# KiCad board microcyte_panel.kicad_pcb (continued)
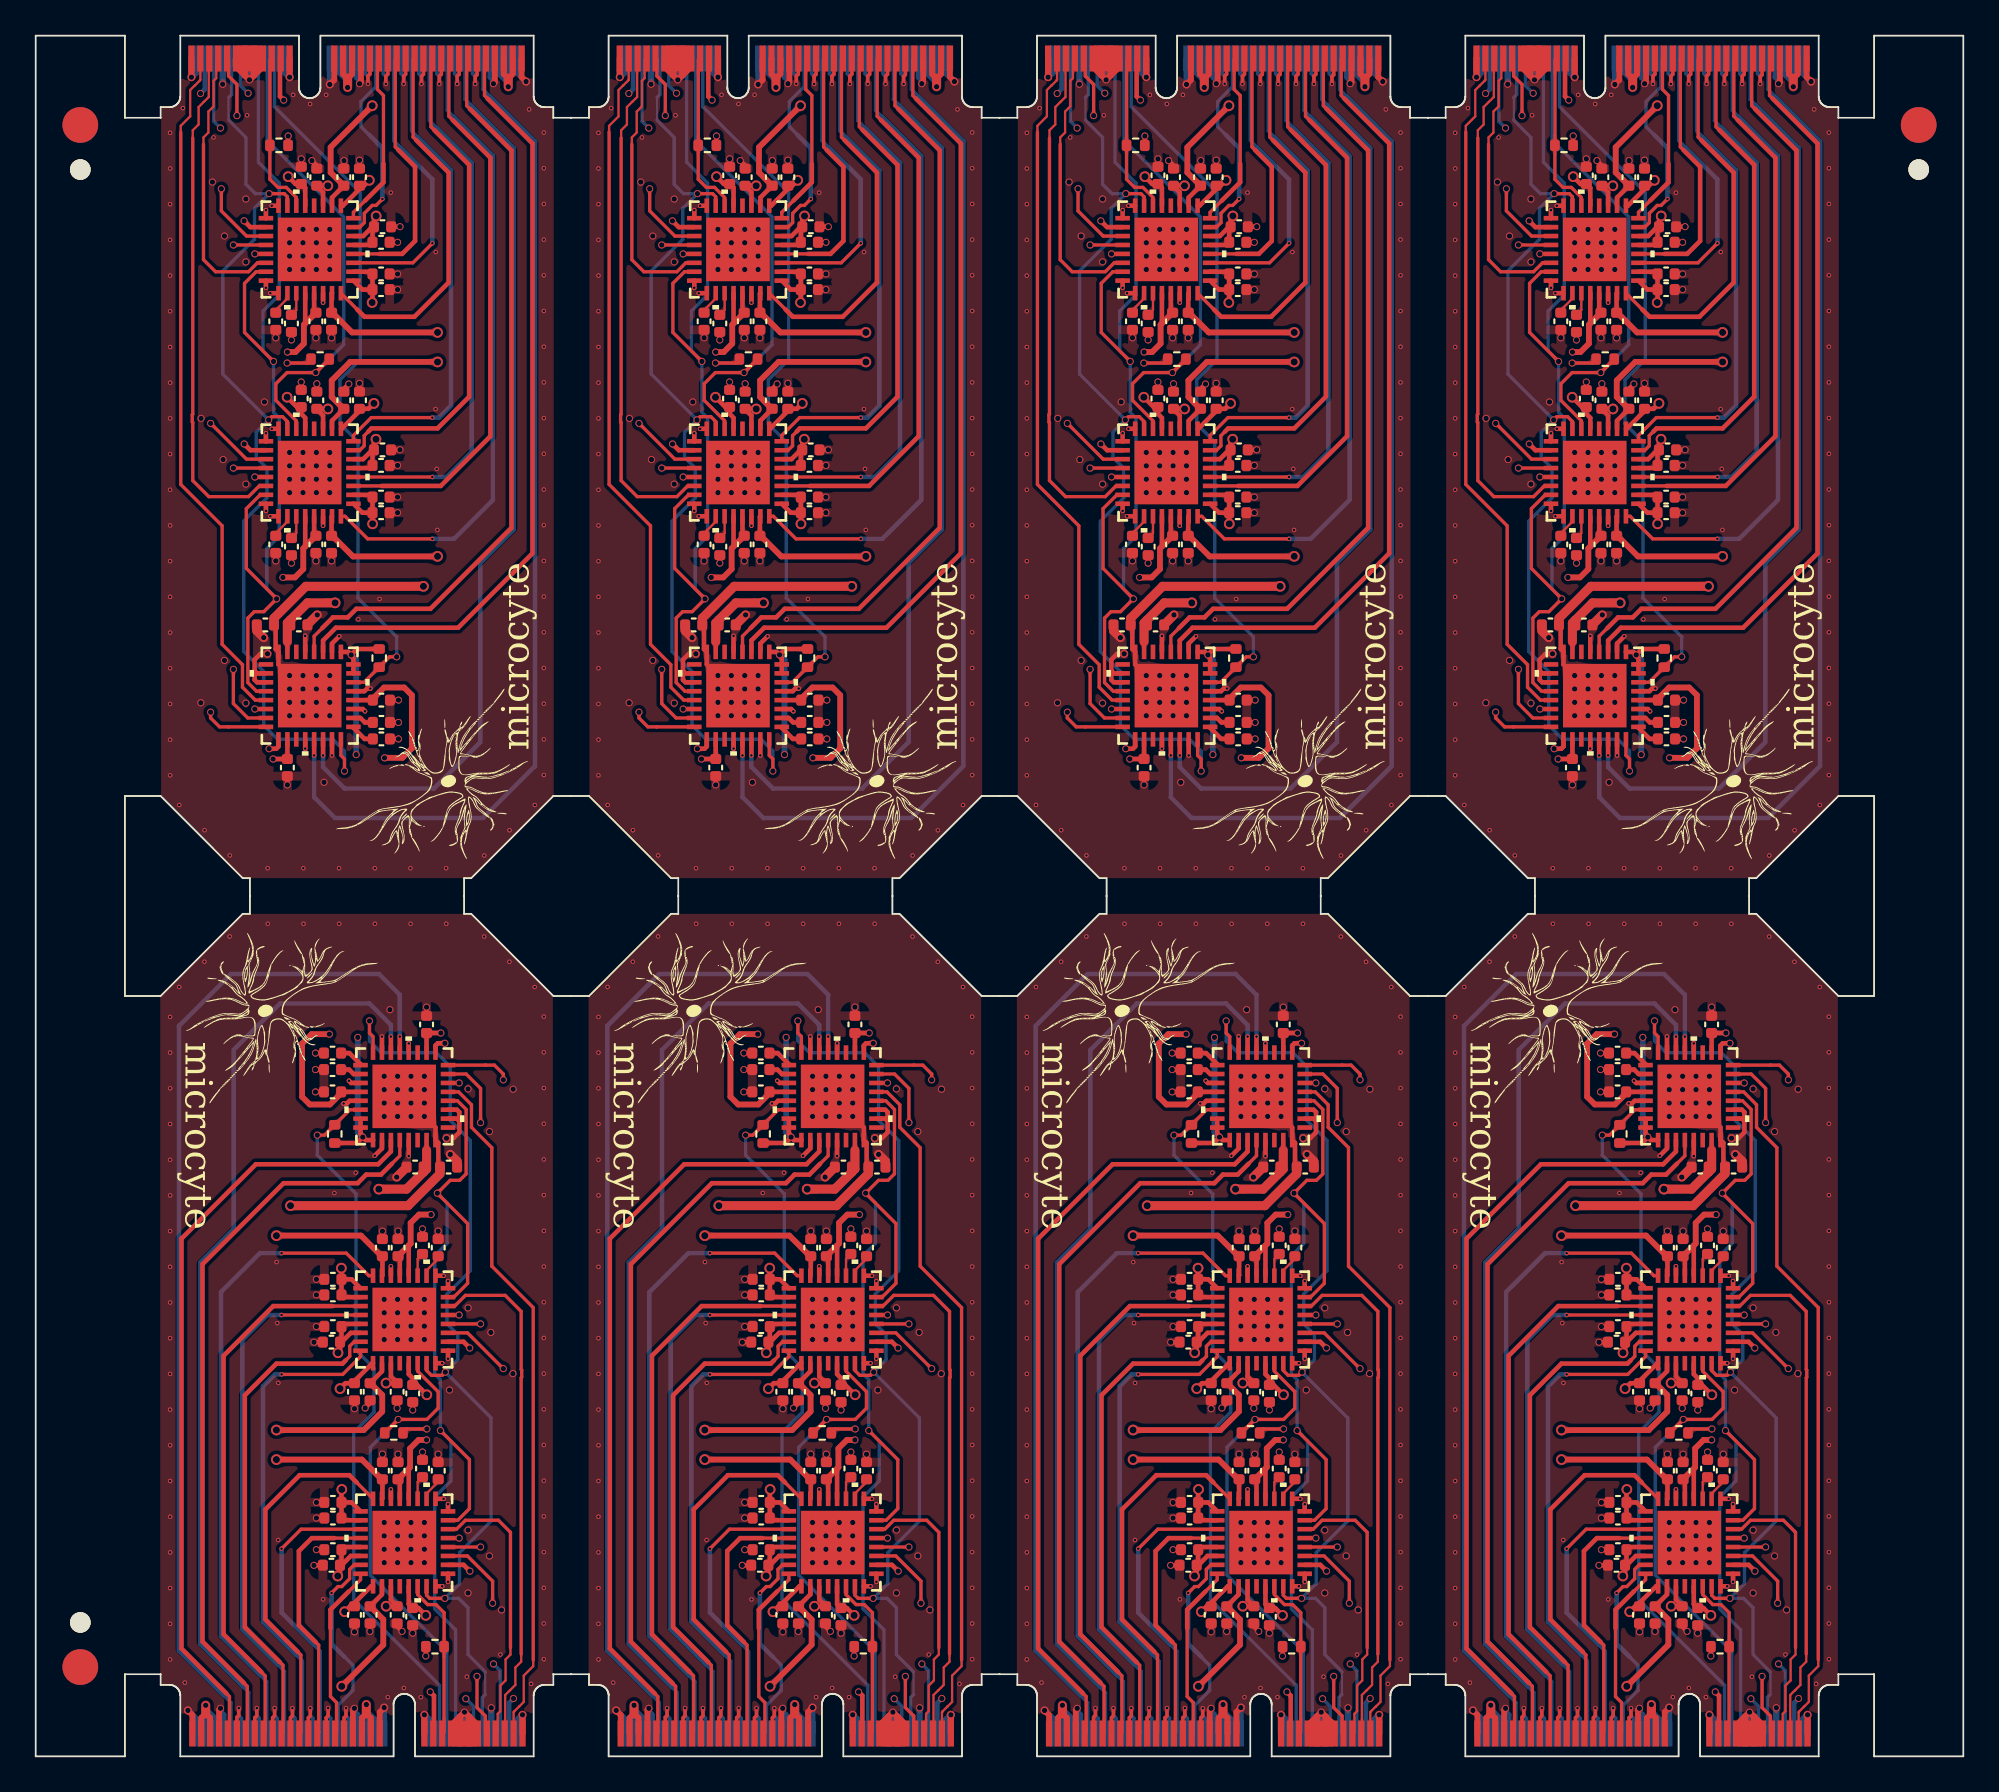
[diagram p0: board, top side]
## Library data of the parts (continued)

## Footprints (pads in the part's own frame, mm; a bottom-side part is the same pattern mirrored in y, then rotated)
05-08-1693_ADI
  rect 0.813x0.254 smd: 1(-2.451,1.75) 2(-2.451,1.25) 3(-2.451,0.75) 4(-2.451,0.25) 5(-2.451,-0.25) 6(-2.451,-0.75) 7(-2.451,-1.25) 8(-2.451,-1.75) 17(2.451,-1.75) 18(2.451,-1.25) 19(2.451,-0.75) 20(2.451,-0.25) 21(2.451,0.25) 22(2.451,0.75) 23(2.451,1.25) 24(2.451,1.75)
  rect 0.254x0.813 smd: 9(-1.75,-2.451) 10(-1.25,-2.451) 11(-0.75,-2.451) 12(-0.25,-2.451) 13(0.25,-2.451) 14(0.75,-2.451) 15(1.25,-2.451) 16(1.75,-2.451) 25(1.75,2.451) 26(1.25,2.451) 27(0.75,2.451) 28(0.25,2.451) 29(-0.25,2.451) 30(-0.75,2.451) 31(-1.25,2.451) 32(-1.75,2.451)
  rect 3.556x3.556 smd: 33(0,0)
C_0402_1005Metric
  rrect 0.56x0.62 smd: 1(-0.48,0) 2(0.48,0)
Connector_M.2_key-E
  rect 0.35x1.45 smd: 1(19.2,1.3) 3(18.7,1.3) 5(18.2,1.3) 7(17.7,1.3) 9(17.2,1.3) 11(16.7,1.3) 13(16.2,1.3) 15(15.7,1.3) 17(15.2,1.3) 19(14.7,1.3) 21(14.2,1.3) 23(13.7,1.3) 33(11.2,1.3) 35(10.7,1.3) 37(10.2,1.3) 39(9.7,1.3) 41(9.2,1.3) 43(8.7,1.3) 45(8.2,1.3) 47(7.7,1.3) 49(7.2,1.3) 51(6.7,1.3) 53(6.2,1.3) 55(5.7,1.3) 57(5.2,1.3) 59(4.7,1.3) 61(4.2,1.3) 63(3.7,1.3) 65(3.2,1.3) 67(2.7,1.3) 69(2.2,1.3) 71(1.7,1.3) 73(1.2,1.3) 75(0.7,1.3)
  rect 0.35x1.45 smd far side: 2(18.95,1.3) 4(18.45,1.3) 6(17.95,1.3) 8(17.45,1.3) 10(16.95,1.3) 12(16.45,1.3) 14(15.95,1.3) 16(15.45,1.3) 18(14.95,1.3) 20(14.45,1.3) 22(13.95,1.3) 32(11.45,1.3) 34(10.95,1.3) 36(10.45,1.3) 38(9.95,1.3) 40(9.45,1.3) 42(8.95,1.3) 44(8.45,1.3) 46(7.95,1.3) 48(7.45,1.3) 50(6.95,1.3) 52(6.45,1.3) 54(5.95,1.3) 56(5.45,1.3) 58(4.95,1.3) 60(4.45,1.3) 62(3.95,1.3) 64(3.45,1.3) 66(2.95,1.3) 68(2.45,1.3) 70(1.95,1.3) 72(1.45,1.3) 74(0.95,1.3)
Fiducial
  round 2 smd: (0,0)
R_0402_1005Metric
  rrect 0.54x0.64 smd: 1(-0.51,0) 2(0.51,0)
ToolingHole_1.152mm
  round 1.152 hole 1.152 unplated: (0,0)

## Nets
Board_0-+5V: C15#2.1 C16.1 C25.1 C26#2.1 C29#4.1 C30#6.1 J1#6.4 J1#6.21 R1#2.1 R3#6.1 R5.1 U1#8.2 U1#8.12 U1#8.13 U1#8.29 U2#8.2 U2#8.12 U2#8.13 U2#8.29 U3#7.1 U3#7.17 U3#7.18 U3#7.28 U3#7.31 U3#7.32
Board_0-+10V: C7#4.1 C8#8.1 C9#3.1 C10#6.1 C11#2.1 C12#7.1 C17#7.1 C18#8.1 C19#7.1 C20#5.1 C21#5.1 C22#2.1 C27#3.1 J1#6.34 J1#6.35 J1#6.36 J1#6.37 U1#8.17 U1#8.18 U1#8.21 U1#8.22 U1#8.25 U1#8.27 U2#8.17 U2#8.18 U2#8.21 U2#8.22 U2#8.25 U2#8.27 U3#7.7
Board_0--10V: C13.1 C14#8.1 C23#6.1 C24#6.1 C28#6.1 J1#6.70 J1#6.71 J1#6.72 J1#6.73 U1#8.15 U1#8.26 U2#8.15 U2#8.26 U3#7.8 U3#7.33
Board_0-CLR: J1#6.10 U1#8.31 U2#8.31 U3#7.24
Board_0-FAULT1: J1#6.19 R3#6.2 U1#8.30
Board_0-FAULT2: J1#6.18 R1#2.2 U2#8.30
Board_0-GND: C1#8.2 C2#4.2 C3.2 C4#7.2 C5#6.2 C6#2.2 C7#4.2 C8#8.2 C9#3.2 C10#6.2 C11#2.2 C12#7.2 C13.2 C14#8.2 C15#2.2 C16.2 C17#7.2 C18#8.2 C19#7.2 C20#5.2 C21#5.2 C22#2.2 C23#6.2 C24#6.2 C25.2 C26#2.2 C27#3.2 C28#6.2 C29#4.2 C30#6.2 J1#6.1 J1#6.2 J1#6.8 J1#6.11 J1#6.13 J1#6.14 J1#6.15 J1#6.17 J1#6.22 J1#6.23 J1#6.32 J1#6.33 J1#6.38 J1#6.39 J1#6.40 J1#6.41 J1#6.44 J1#6.45 J1#6.48 J1#6.49 J1#6.52 J1#6.53 J1#6.56 J1#6.57 J1#6.60 J1#6.61 J1#6.64 J1#6.65 J1#6.68 J1#6.69 J1#6.74 J1#6.75 U1#8.1 U1#8.8 U1#8.9 U1#8.14 U1#8.32 U1#8.33 U2#8.1 U2#8.8 U2#8.9 U2#8.14 U2#8.32 U2#8.33 U3#7.2 U3#7.5 U3#7.10 U3#7.11 U3#7.20 U3#7.23 U3#7.27 U3#7.29
Board_0-I0: J1#6.43 U1#8.24
Board_0-I1: J1#6.42 U1#8.23
Board_0-I2: J1#6.47 U1#8.20
Board_0-I3: J1#6.46 U1#8.19
Board_0-I4: J1#6.51 U1#8.16
Board_0-I5: J1#6.50 U2#8.24
Board_0-I6: J1#6.55 U2#8.23
Board_0-I7: J1#6.54 U2#8.20
Board_0-I8: J1#6.59 U2#8.19
Board_0-I9: J1#6.58 U2#8.16
Board_0-LDAC: J1#6.16 U1#8.7 U2#8.7 U3#7.12
Board_0-MISO: J1#6.9 U1#8.4 U2#8.4 U3#7.15
Board_0-MOSI: J1#6.6 U1#8.3 U2#8.3 U3#7.16
Board_0-Net-(U1-REF): C3.1 U1#8.10
Board_0-Net-(U1-REFCOMP): C4#7.1 U1#8.11
Board_0-Net-(U2-REF): C5#6.1 U2#8.10
Board_0-Net-(U2-REFCOMP): C6#2.1 U2#8.11
Board_0-Net-(U3-REF): C1#8.1 U3#7.25
Board_0-Net-(U3-REFCOMP): C2#4.1 U3#7.26
Board_0-SCLK: J1#6.12 U1#8.5 U2#8.5 U3#7.14
Board_0-SS1: J1#6.7 U1#8.6
Board_0-SS2: J1#6.5 U2#8.6
Board_0-SS3: J1#6.3 U3#7.13
Board_0-TEMP: J1#6.20 R5.2 U3#7.30
Board_0-unconnected-(U1-MUX-Pad28): U1#8.28
Board_0-unconnected-(U2-MUX-Pad28): U2#8.28
Board_0-unconnected-(U3-DNC-Pad6): U3#7.6
Board_0-unconnected-(U3-DNC-Pad19): U3#7.19
Board_0-unconnected-(U3-MUXOUT-Pad9): U3#7.9
Board_0-Vb0: J1#6.67 U3#7.3
Board_0-Vb1: J1#6.63 U3#7.4
Board_0-Vb2: J1#6.66 U3#7.21
Board_0-Vb3: J1#6.62 U3#7.22
Board_1-+5V: C15#4.1 C16#3.1 C25#8.1 C26#4.1 C29.1 C30#4.1 J1#8.4 J1#8.21 R1#5.1 R3#4.1 R5#6.1 U1#7.2 U1#7.12 U1#7.13 U1#7.29 U2#5.2 U2#5.12 U2#5.13 U2#5.29 U3#8.1 U3#8.17 U3#8.18 U3#8.28 U3#8.31 U3#8.32
Board_1-+10V: C7#2.1 C8#3.1 C9#8.1 C10#3.1 C11#7.1 C12#4.1 C17#4.1 C18#6.1 C19#4.1 C20#8.1 C21#7.1 C22#4.1 C27#4.1 J1#8.34 J1#8.35 J1#8.36 J1#8.37 U1#7.17 U1#7.18 U1#7.21 U1#7.22 U1#7.25 U1#7.27 U2#5.17 U2#5.18 U2#5.21 U2#5.22 U2#5.25 U2#5.27 U3#8.7
Board_1--10V: C13#8.1 C14.1 C23#8.1 C24#2.1 C28#3.1 J1#8.70 J1#8.71 J1#8.72 J1#8.73 U1#7.15 U1#7.26 U2#5.15 U2#5.26 U3#8.8 U3#8.33
Board_1-CLR: J1#8.10 U1#7.31 U2#5.31 U3#8.24
Board_1-FAULT1: J1#8.19 R3#4.2 U1#7.30
Board_1-FAULT2: J1#8.18 R1#5.2 U2#5.30
Board_1-GND: C1#2.2 C2.2 C3#8.2 C4#6.2 C5#3.2 C6#4.2 C7#2.2 C8#3.2 C9#8.2 C10#3.2 C11#7.2 C12#4.2 C13#8.2 C14.2 C15#4.2 C16#3.2 C17#4.2 C18#6.2 C19#4.2 C20#8.2 C21#7.2 C22#4.2 C23#8.2 C24#2.2 C25#8.2 C26#4.2 C27#4.2 C28#3.2 C29.2 C30#4.2 J1#8.1 J1#8.2 J1#8.8 J1#8.11 J1#8.13 J1#8.14 J1#8.15 J1#8.17 J1#8.22 J1#8.23 J1#8.32 J1#8.33 J1#8.38 J1#8.39 J1#8.40 J1#8.41 J1#8.44 J1#8.45 J1#8.48 J1#8.49 J1#8.52 J1#8.53 J1#8.56 J1#8.57 J1#8.60 J1#8.61 J1#8.64 J1#8.65 J1#8.68 J1#8.69 J1#8.74 J1#8.75 U1#7.1 U1#7.8 U1#7.9 U1#7.14 U1#7.32 U1#7.33 U2#5.1 U2#5.8 U2#5.9 U2#5.14 U2#5.32 U2#5.33 U3#8.2 U3#8.5 U3#8.10 U3#8.11 U3#8.20 U3#8.23 U3#8.27 U3#8.29
Board_1-I0: J1#8.43 U1#7.24
Board_1-I1: J1#8.42 U1#7.23
Board_1-I2: J1#8.47 U1#7.20
Board_1-I3: J1#8.46 U1#7.19
Board_1-I4: J1#8.51 U1#7.16
Board_1-I5: J1#8.50 U2#5.24
Board_1-I6: J1#8.55 U2#5.23
Board_1-I7: J1#8.54 U2#5.20
Board_1-I8: J1#8.59 U2#5.19
Board_1-I9: J1#8.58 U2#5.16
Board_1-LDAC: J1#8.16 U1#7.7 U2#5.7 U3#8.12
Board_1-MISO: J1#8.9 U1#7.4 U2#5.4 U3#8.15
Board_1-MOSI: J1#8.6 U1#7.3 U2#5.3 U3#8.16
Board_1-Net-(U1-REF): C3#8.1 U1#7.10
Board_1-Net-(U1-REFCOMP): C4#6.1 U1#7.11
Board_1-Net-(U2-REF): C5#3.1 U2#5.10
Board_1-Net-(U2-REFCOMP): C6#4.1 U2#5.11
Board_1-Net-(U3-REF): C1#2.1 U3#8.25
Board_1-Net-(U3-REFCOMP): C2.1 U3#8.26
Board_1-SCLK: J1#8.12 U1#7.5 U2#5.5 U3#8.14
Board_1-SS1: J1#8.7 U1#7.6
Board_1-SS2: J1#8.5 U2#5.6
Board_1-SS3: J1#8.3 U3#8.13
Board_1-TEMP: J1#8.20 R5#6.2 U3#8.30
Board_1-unconnected-(U1-MUX-Pad28): U1#7.28
Board_1-unconnected-(U2-MUX-Pad28): U2#5.28
Board_1-unconnected-(U3-DNC-Pad6): U3#8.6
Board_1-unconnected-(U3-DNC-Pad19): U3#8.19
Board_1-unconnected-(U3-MUXOUT-Pad9): U3#8.9
Board_1-Vb0: J1#8.67 U3#8.3
Board_1-Vb1: J1#8.63 U3#8.4
Board_1-Vb2: J1#8.66 U3#8.21
Board_1-Vb3: J1#8.62 U3#8.22
Board_2-+5V: C15#7.1 C16#6.1 C25#7.1 C26#5.1 C29#5.1 C30.1 J1.4 J1.21 R1#8.1 R3.1 R5#7.1 U1#5.2 U1#5.12 U1#5.13 U1#5.29 U2#7.2 U2#7.12 U2#7.13 U2#7.29 U3#6.1 U3#6.17 U3#6.18 U3#6.28 U3#6.31 U3#6.32
Board_2-+10V: C7#8.1 C8#4.1 C9#4.1 C10#8.1 C11.1 C12#8.1 C17#3.1 C18#7.1 C19#3.1 C20#3.1 C21#2.1 C22.1 C27.1 J1.34 J1.35 J1.36 J1.37 U1#5.17 U1#5.18 U1#5.21 U1#5.22 U1#5.25 U1#5.27 U2#7.17 U2#7.18 U2#7.21 U2#7.22 U2#7.25 U2#7.27 U3#6.7
Board_2--10V: C13#6.1 C14#5.1 C23#2.1 C24#5.1 C28#5.1 J1.70 J1.71 J1.72 J1.73 U1#5.15 U1#5.26 U2#7.15 U2#7.26 U3#6.8 U3#6.33
Board_2-CLR: J1.10 U1#5.31 U2#7.31 U3#6.24
Board_2-FAULT1: J1.19 R3.2 U1#5.30
Board_2-FAULT2: J1.18 R1#8.2 U2#7.30
Board_2-GND: C1.2 C2#8.2 C3#3.2 C4#2.2 C5.2 C6#7.2 C7#8.2 C8#4.2 C9#4.2 C10#8.2 C11.2 C12#8.2 C13#6.2 C14#5.2 C15#7.2 C16#6.2 C17#3.2 C18#7.2 C19#3.2 C20#3.2 C21#2.2 C22.2 C23#2.2 C24#5.2 C25#7.2 C26#5.2 C27.2 C28#5.2 C29#5.2 C30.2 J1.1 J1.2 J1.8 J1.11 J1.13 J1.14 J1.15 J1.17 J1.22 J1.23 J1.32 J1.33 J1.38 J1.39 J1.40 J1.41 J1.44 J1.45 J1.48 J1.49 J1.52 J1.53 J1.56 J1.57 J1.60 J1.61 J1.64 J1.65 J1.68 J1.69 J1.74 J1.75 U1#5.1 U1#5.8 U1#5.9 U1#5.14 U1#5.32 U1#5.33 U2#7.1 U2#7.8 U2#7.9 U2#7.14 U2#7.32 U2#7.33 U3#6.2 U3#6.5 U3#6.10 U3#6.11 U3#6.20 U3#6.23 U3#6.27 U3#6.29
Board_2-I0: J1.43 U1#5.24
Board_2-I1: J1.42 U1#5.23
Board_2-I2: J1.47 U1#5.20
Board_2-I3: J1.46 U1#5.19
Board_2-I4: J1.51 U1#5.16
Board_2-I5: J1.50 U2#7.24
Board_2-I6: J1.55 U2#7.23
Board_2-I7: J1.54 U2#7.20
Board_2-I8: J1.59 U2#7.19
Board_2-I9: J1.58 U2#7.16
Board_2-LDAC: J1.16 U1#5.7 U2#7.7 U3#6.12
Board_2-MISO: J1.9 U1#5.4 U2#7.4 U3#6.15
Board_2-MOSI: J1.6 U1#5.3 U2#7.3 U3#6.16
Board_2-Net-(U1-REF): C3#3.1 U1#5.10
Board_2-Net-(U1-REFCOMP): C4#2.1 U1#5.11
Board_2-Net-(U2-REF): C5.1 U2#7.10
Board_2-Net-(U2-REFCOMP): C6#7.1 U2#7.11
Board_2-Net-(U3-REF): C1.1 U3#6.25
Board_2-Net-(U3-REFCOMP): C2#8.1 U3#6.26
Board_2-SCLK: J1.12 U1#5.5 U2#7.5 U3#6.14
Board_2-SS1: J1.7 U1#5.6
Board_2-SS2: J1.5 U2#7.6
Board_2-SS3: J1.3 U3#6.13
Board_2-TEMP: J1.20 R5#7.2 U3#6.30
Board_2-unconnected-(U1-MUX-Pad28): U1#5.28
Board_2-unconnected-(U2-MUX-Pad28): U2#7.28
Board_2-unconnected-(U3-DNC-Pad6): U3#6.6
Board_2-unconnected-(U3-DNC-Pad19): U3#6.19
Board_2-unconnected-(U3-MUXOUT-Pad9): U3#6.9
Board_2-Vb0: J1.67 U3#6.3
Board_2-Vb1: J1.63 U3#6.4
Board_2-Vb2: J1.66 U3#6.21
Board_2-Vb3: J1.62 U3#6.22
Board_3-+5V: C15.1 C16#2.1 C25#5.1 C26#3.1 C29#2.1 C30#8.1 J1#7.4 J1#7.21 R1#6.1 R3#7.1 R5#4.1 U1#3.2 U1#3.12 U1#3.13 U1#3.29 U2#2.2 U2#2.12 U2#2.13 U2#2.29 U3#2.1 U3#2.17 U3#2.18 U3#2.28 U3#2.31 U3#2.32
Board_3-+10V: C7#6.1 C8#5.1 C9#6.1 C10#4.1 C11#5.1 C12.1 C17.1 C18#4.1 C19.1 C20#2.1 C21.1 C22#7.1 C27#7.1 J1#7.34 J1#7.35 J1#7.36 J1#7.37 U1#3.17 U1#3.18 U1#3.21 U1#3.22 U1#3.25 U1#3.27 U2#2.17 U2#2.18 U2#2.21 U2#2.22 U2#2.25 U2#2.27 U3#2.7
Board_3--10V: C13#2.1 C14#6.1 C23.1 C24#4.1 C28#2.1 J1#7.70 J1#7.71 J1#7.72 J1#7.73 U1#3.15 U1#3.26 U2#2.15 U2#2.26 U3#2.8 U3#2.33
Board_3-CLR: J1#7.10 U1#3.31 U2#2.31 U3#2.24
Board_3-FAULT1: J1#7.19 R3#7.2 U1#3.30
Board_3-FAULT2: J1#7.18 R1#6.2 U2#2.30
Board_3-GND: C1#6.2 C2#3.2 C3#6.2 C4#3.2 C5#2.2 C6#6.2 C7#6.2 C8#5.2 C9#6.2 C10#4.2 C11#5.2 C12.2 C13#2.2 C14#6.2 C15.2 C16#2.2 C17.2 C18#4.2 C19.2 C20#2.2 C21.2 C22#7.2 C23.2 C24#4.2 C25#5.2 C26#3.2 C27#7.2 C28#2.2 C29#2.2 C30#8.2 J1#7.1 J1#7.2 J1#7.8 J1#7.11 J1#7.13 J1#7.14 J1#7.15 J1#7.17 J1#7.22 J1#7.23 J1#7.32 J1#7.33 J1#7.38 J1#7.39 J1#7.40 J1#7.41 J1#7.44 J1#7.45 J1#7.48 J1#7.49 J1#7.52 J1#7.53 J1#7.56 J1#7.57 J1#7.60 J1#7.61 J1#7.64 J1#7.65 J1#7.68 J1#7.69 J1#7.74 J1#7.75 U1#3.1 U1#3.8 U1#3.9 U1#3.14 U1#3.32 U1#3.33 U2#2.1 U2#2.8 U2#2.9 U2#2.14 U2#2.32 U2#2.33 U3#2.2 U3#2.5 U3#2.10 U3#2.11 U3#2.20 U3#2.23 U3#2.27 U3#2.29
Board_3-I0: J1#7.43 U1#3.24
Board_3-I1: J1#7.42 U1#3.23
Board_3-I2: J1#7.47 U1#3.20
Board_3-I3: J1#7.46 U1#3.19
Board_3-I4: J1#7.51 U1#3.16
Board_3-I5: J1#7.50 U2#2.24
Board_3-I6: J1#7.55 U2#2.23
Board_3-I7: J1#7.54 U2#2.20
Board_3-I8: J1#7.59 U2#2.19
Board_3-I9: J1#7.58 U2#2.16
Board_3-LDAC: J1#7.16 U1#3.7 U2#2.7 U3#2.12
Board_3-MISO: J1#7.9 U1#3.4 U2#2.4 U3#2.15
Board_3-MOSI: J1#7.6 U1#3.3 U2#2.3 U3#2.16
Board_3-Net-(U1-REF): C3#6.1 U1#3.10
Board_3-Net-(U1-REFCOMP): C4#3.1 U1#3.11
Board_3-Net-(U2-REF): C5#2.1 U2#2.10
Board_3-Net-(U2-REFCOMP): C6#6.1 U2#2.11
Board_3-Net-(U3-REF): C1#6.1 U3#2.25
Board_3-Net-(U3-REFCOMP): C2#3.1 U3#2.26
Board_3-SCLK: J1#7.12 U1#3.5 U2#2.5 U3#2.14
Board_3-SS1: J1#7.7 U1#3.6
Board_3-SS2: J1#7.5 U2#2.6
Board_3-SS3: J1#7.3 U3#2.13
Board_3-TEMP: J1#7.20 R5#4.2 U3#2.30
Board_3-unconnected-(U1-MUX-Pad28): U1#3.28
Board_3-unconnected-(U2-MUX-Pad28): U2#2.28
Board_3-unconnected-(U3-DNC-Pad6): U3#2.6
Board_3-unconnected-(U3-DNC-Pad19): U3#2.19
Board_3-unconnected-(U3-MUXOUT-Pad9): U3#2.9
Board_3-Vb0: J1#7.67 U3#2.3
Board_3-Vb1: J1#7.63 U3#2.4
Board_3-Vb2: J1#7.66 U3#2.21
Board_3-Vb3: J1#7.62 U3#2.22
Board_4-+5V: C15#8.1 C16#7.1 C25#6.1 C26#7.1 C29#7.1 C30#5.1 J1#2.4 J1#2.21 R1#7.1 R3#3.1 R5#3.1 U1#6.2 U1#6.12 U1#6.13 U1#6.29 U2#6.2 U2#6.12 U2#6.13 U2#6.29 U3#4.1 U3#4.17 U3#4.18 U3#4.28 U3#4.31 U3#4.32
Board_4-+10V: C7#3.1 C8.1 C9#5.1 C10.1 C11#3.1 C12#3.1 C17#8.1 C18#3.1 C19#8.1 C20#6.1 C21#8.1 C22#6.1 C27#2.1 J1#2.34 J1#2.35 J1#2.36 J1#2.37 U1#6.17 U1#6.18 U1#6.21 U1#6.22 U1#6.25 U1#6.27 U2#6.17 U2#6.18 U2#6.21 U2#6.22 U2#6.25 U2#6.27 U3#4.7
Board_4--10V: C13#5.1 C14#4.1 C23#4.1 C24#7.1 C28#8.1 J1#2.70 J1#2.71 J1#2.72 J1#2.73 U1#6.15 U1#6.26 U2#6.15 U2#6.26 U3#4.8 U3#4.33
Board_4-CLR: J1#2.10 U1#6.31 U2#6.31 U3#4.24
Board_4-FAULT1: J1#2.19 R3#3.2 U1#6.30
Board_4-FAULT2: J1#2.18 R1#7.2 U2#6.30
Board_4-GND: C1#5.2 C2#7.2 C3#4.2 C4.2 C5#4.2 C6#3.2 C7#3.2 C8.2 C9#5.2 C10.2 C11#3.2 C12#3.2 C13#5.2 C14#4.2 C15#8.2 C16#7.2 C17#8.2 C18#3.2 C19#8.2 C20#6.2 C21#8.2 C22#6.2 C23#4.2 C24#7.2 C25#6.2 C26#7.2 C27#2.2 C28#8.2 C29#7.2 C30#5.2 J1#2.1 J1#2.2 J1#2.8 J1#2.11 J1#2.13 J1#2.14 J1#2.15 J1#2.17 J1#2.22 J1#2.23 J1#2.32 J1#2.33 J1#2.38 J1#2.39 J1#2.40 J1#2.41 J1#2.44 J1#2.45 J1#2.48 J1#2.49 J1#2.52 J1#2.53 J1#2.56 J1#2.57 J1#2.60 J1#2.61 J1#2.64 J1#2.65 J1#2.68 J1#2.69 J1#2.74 J1#2.75 U1#6.1 U1#6.8 U1#6.9 U1#6.14 U1#6.32 U1#6.33 U2#6.1 U2#6.8 U2#6.9 U2#6.14 U2#6.32 U2#6.33 U3#4.2 U3#4.5 U3#4.10 U3#4.11 U3#4.20 U3#4.23 U3#4.27 U3#4.29
Board_4-I0: J1#2.43 U1#6.24
Board_4-I1: J1#2.42 U1#6.23
Board_4-I2: J1#2.47 U1#6.20
Board_4-I3: J1#2.46 U1#6.19
Board_4-I4: J1#2.51 U1#6.16
Board_4-I5: J1#2.50 U2#6.24
Board_4-I6: J1#2.55 U2#6.23
Board_4-I7: J1#2.54 U2#6.20
Board_4-I8: J1#2.59 U2#6.19
Board_4-I9: J1#2.58 U2#6.16
Board_4-LDAC: J1#2.16 U1#6.7 U2#6.7 U3#4.12
Board_4-MISO: J1#2.9 U1#6.4 U2#6.4 U3#4.15
Board_4-MOSI: J1#2.6 U1#6.3 U2#6.3 U3#4.16
Board_4-Net-(U1-REF): C3#4.1 U1#6.10
Board_4-Net-(U1-REFCOMP): C4.1 U1#6.11
Board_4-Net-(U2-REF): C5#4.1 U2#6.10
Board_4-Net-(U2-REFCOMP): C6#3.1 U2#6.11
Board_4-Net-(U3-REF): C1#5.1 U3#4.25
Board_4-Net-(U3-REFCOMP): C2#7.1 U3#4.26
Board_4-SCLK: J1#2.12 U1#6.5 U2#6.5 U3#4.14
Board_4-SS1: J1#2.7 U1#6.6
Board_4-SS2: J1#2.5 U2#6.6
Board_4-SS3: J1#2.3 U3#4.13
Board_4-TEMP: J1#2.20 R5#3.2 U3#4.30
Board_4-unconnected-(U1-MUX-Pad28): U1#6.28
Board_4-unconnected-(U2-MUX-Pad28): U2#6.28
Board_4-unconnected-(U3-DNC-Pad6): U3#4.6
Board_4-unconnected-(U3-DNC-Pad19): U3#4.19
Board_4-unconnected-(U3-MUXOUT-Pad9): U3#4.9
Board_4-Vb0: J1#2.67 U3#4.3
Board_4-Vb1: J1#2.63 U3#4.4
Board_4-Vb2: J1#2.66 U3#4.21
Board_4-Vb3: J1#2.62 U3#4.22
Board_5-+5V: C15#3.1 C16#5.1 C25#4.1 C26.1 C29#6.1 C30#2.1 J1#5.4 J1#5.21 R1#3.1 R3#5.1 R5#8.1 U1.2 U1.12 U1.13 U1.29 U2#3.2 U2#3.12 U2#3.13 U2#3.29 U3#3.1 U3#3.17 U3#3.18 U3#3.28 U3#3.31 U3#3.32
Board_5-+10V: C7#5.1 C8#2.1 C9#7.1 C10#5.1 C11#6.1 C12#2.1 C17#6.1 C18.1 C19#6.1 C20#7.1 C21#3.1 C22#8.1 C27#8.1 J1#5.34 J1#5.35 J1#5.36 J1#5.37 U1.17 U1.18 U1.21 U1.22 U1.25 U1.27 U2#3.17 U2#3.18 U2#3.21 U2#3.22 U2#3.25 U2#3.27 U3#3.7
Board_5--10V: C13#7.1 C14#7.1 C23#7.1 C24.1 C28.1 J1#5.70 J1#5.71 J1#5.72 J1#5.73 U1.15 U1.26 U2#3.15 U2#3.26 U3#3.8 U3#3.33
Board_5-CLR: J1#5.10 U1.31 U2#3.31 U3#3.24
Board_5-FAULT1: J1#5.19 R3#5.2 U1.30
Board_5-FAULT2: J1#5.18 R1#3.2 U2#3.30
Board_5-GND: C1#3.2 C2#5.2 C3#2.2 C4#8.2 C5#7.2 C6#5.2 C7#5.2 C8#2.2 C9#7.2 C10#5.2 C11#6.2 C12#2.2 C13#7.2 C14#7.2 C15#3.2 C16#5.2 C17#6.2 C18.2 C19#6.2 C20#7.2 C21#3.2 C22#8.2 C23#7.2 C24.2 C25#4.2 C26.2 C27#8.2 C28.2 C29#6.2 C30#2.2 J1#5.1 J1#5.2 J1#5.8 J1#5.11 J1#5.13 J1#5.14 J1#5.15 J1#5.17 J1#5.22 J1#5.23 J1#5.32 J1#5.33 J1#5.38 J1#5.39 J1#5.40 J1#5.41 J1#5.44 J1#5.45 J1#5.48 J1#5.49 J1#5.52 J1#5.53 J1#5.56 J1#5.57 J1#5.60 J1#5.61 J1#5.64 J1#5.65 J1#5.68 J1#5.69 J1#5.74 J1#5.75 U1.1 U1.8 U1.9 U1.14 U1.32 U1.33 U2#3.1 U2#3.8 U2#3.9 U2#3.14 U2#3.32 U2#3.33 U3#3.2 U3#3.5 U3#3.10 U3#3.11 U3#3.20 U3#3.23 U3#3.27 U3#3.29
Board_5-I0: J1#5.43 U1.24
Board_5-I1: J1#5.42 U1.23
Board_5-I2: J1#5.47 U1.20
Board_5-I3: J1#5.46 U1.19
Board_5-I4: J1#5.51 U1.16
Board_5-I5: J1#5.50 U2#3.24
Board_5-I6: J1#5.55 U2#3.23
Board_5-I7: J1#5.54 U2#3.20
Board_5-I8: J1#5.59 U2#3.19
Board_5-I9: J1#5.58 U2#3.16
Board_5-LDAC: J1#5.16 U1.7 U2#3.7 U3#3.12
Board_5-MISO: J1#5.9 U1.4 U2#3.4 U3#3.15
Board_5-MOSI: J1#5.6 U1.3 U2#3.3 U3#3.16
Board_5-Net-(U1-REF): C3#2.1 U1.10
Board_5-Net-(U1-REFCOMP): C4#8.1 U1.11
Board_5-Net-(U2-REF): C5#7.1 U2#3.10
Board_5-Net-(U2-REFCOMP): C6#5.1 U2#3.11
Board_5-Net-(U3-REF): C1#3.1 U3#3.25
Board_5-Net-(U3-REFCOMP): C2#5.1 U3#3.26
Board_5-SCLK: J1#5.12 U1.5 U2#3.5 U3#3.14
Board_5-SS1: J1#5.7 U1.6
Board_5-SS2: J1#5.5 U2#3.6
Board_5-SS3: J1#5.3 U3#3.13
Board_5-TEMP: J1#5.20 R5#8.2 U3#3.30
Board_5-unconnected-(U1-MUX-Pad28): U1.28
Board_5-unconnected-(U2-MUX-Pad28): U2#3.28
Board_5-unconnected-(U3-DNC-Pad6): U3#3.6
Board_5-unconnected-(U3-DNC-Pad19): U3#3.19
Board_5-unconnected-(U3-MUXOUT-Pad9): U3#3.9
Board_5-Vb0: J1#5.67 U3#3.3
Board_5-Vb1: J1#5.63 U3#3.4
Board_5-Vb2: J1#5.66 U3#3.21
Board_5-Vb3: J1#5.62 U3#3.22
Board_6-+5V: C15#6.1 C16#4.1 C25#2.1 C26#8.1 C29#3.1 C30#3.1 J1#3.4 J1#3.21 R1.1 R3#8.1 R5#5.1 U1#4.2 U1#4.12 U1#4.13 U1#4.29 U2.2 U2.12 U2.13 U2.29 U3#5.1 U3#5.17 U3#5.18 U3#5.28 U3#5.31 U3#5.32
Board_6-+10V: C7.1 C8#6.1 C9#2.1 C10#2.1 C11#8.1 C12#5.1 C17#5.1 C18#2.1 C19#5.1 C20#4.1 C21#6.1 C22#3.1 C27#5.1 J1#3.34 J1#3.35 J1#3.36 J1#3.37 U1#4.17 U1#4.18 U1#4.21 U1#4.22 U1#4.25 U1#4.27 U2.17 U2.18 U2.21 U2.22 U2.25 U2.27 U3#5.7
Board_6--10V: C13#3.1 C14#3.1 C23#3.1 C24#8.1 C28#4.1 J1#3.70 J1#3.71 J1#3.72 J1#3.73 U1#4.15 U1#4.26 U2.15 U2.26 U3#5.8 U3#5.33
Board_6-CLR: J1#3.10 U1#4.31 U2.31 U3#5.24
Board_6-FAULT1: J1#3.19 R3#8.2 U1#4.30
Board_6-FAULT2: J1#3.18 R1.2 U2.30
Board_6-GND: C1#4.2 C2#6.2 C3#7.2 C4#4.2 C5#5.2 C6.2 C7.2 C8#6.2 C9#2.2 C10#2.2 C11#8.2 C12#5.2 C13#3.2 C14#3.2 C15#6.2 C16#4.2 C17#5.2 C18#2.2 C19#5.2 C20#4.2 C21#6.2 C22#3.2 C23#3.2 C24#8.2 C25#2.2 C26#8.2 C27#5.2 C28#4.2 C29#3.2 C30#3.2 J1#3.1 J1#3.2 J1#3.8 J1#3.11 J1#3.13 J1#3.14 J1#3.15 J1#3.17 J1#3.22 J1#3.23 J1#3.32 J1#3.33 J1#3.38 J1#3.39 J1#3.40 J1#3.41 J1#3.44 J1#3.45 J1#3.48 J1#3.49 J1#3.52 J1#3.53 J1#3.56 J1#3.57 J1#3.60 J1#3.61 J1#3.64 J1#3.65 J1#3.68 J1#3.69 J1#3.74 J1#3.75 U1#4.1 U1#4.8 U1#4.9 U1#4.14 U1#4.32 U1#4.33 U2.1 U2.8 U2.9 U2.14 U2.32 U2.33 U3#5.2 U3#5.5 U3#5.10 U3#5.11 U3#5.20 U3#5.23 U3#5.27 U3#5.29
Board_6-I0: J1#3.43 U1#4.24
Board_6-I1: J1#3.42 U1#4.23
Board_6-I2: J1#3.47 U1#4.20
Board_6-I3: J1#3.46 U1#4.19
Board_6-I4: J1#3.51 U1#4.16
Board_6-I5: J1#3.50 U2.24
Board_6-I6: J1#3.55 U2.23
Board_6-I7: J1#3.54 U2.20
Board_6-I8: J1#3.59 U2.19
Board_6-I9: J1#3.58 U2.16
Board_6-LDAC: J1#3.16 U1#4.7 U2.7 U3#5.12
Board_6-MISO: J1#3.9 U1#4.4 U2.4 U3#5.15
Board_6-MOSI: J1#3.6 U1#4.3 U2.3 U3#5.16
Board_6-Net-(U1-REF): C3#7.1 U1#4.10
Board_6-Net-(U1-REFCOMP): C4#4.1 U1#4.11
Board_6-Net-(U2-REF): C5#5.1 U2.10
Board_6-Net-(U2-REFCOMP): C6.1 U2.11
Board_6-Net-(U3-REF): C1#4.1 U3#5.25
Board_6-Net-(U3-REFCOMP): C2#6.1 U3#5.26
Board_6-SCLK: J1#3.12 U1#4.5 U2.5 U3#5.14
Board_6-SS1: J1#3.7 U1#4.6
Board_6-SS2: J1#3.5 U2.6
Board_6-SS3: J1#3.3 U3#5.13
Board_6-TEMP: J1#3.20 R5#5.2 U3#5.30
Board_6-unconnected-(U1-MUX-Pad28): U1#4.28
Board_6-unconnected-(U2-MUX-Pad28): U2.28
Board_6-unconnected-(U3-DNC-Pad6): U3#5.6
Board_6-unconnected-(U3-DNC-Pad19): U3#5.19
Board_6-unconnected-(U3-MUXOUT-Pad9): U3#5.9
Board_6-Vb0: J1#3.67 U3#5.3
Board_6-Vb1: J1#3.63 U3#5.4
Board_6-Vb2: J1#3.66 U3#5.21
Board_6-Vb3: J1#3.62 U3#5.22
Board_7-+5V: C15#5.1 C16#8.1 C25#3.1 C26#6.1 C29#8.1 C30#7.1 J1#4.4 J1#4.21 R1#4.1 R3#2.1 R5#2.1 U1#2.2 U1#2.12 U1#2.13 U1#2.29 U2#4.2 U2#4.12 U2#4.13 U2#4.29 U3.1 U3.17 U3.18 U3.28 U3.31 U3.32
Board_7-+10V: C7#7.1 C8#7.1 C9.1 C10#7.1 C11#4.1 C12#6.1 C17#2.1 C18#5.1 C19#2.1 C20.1 C21#4.1 C22#5.1 C27#6.1 J1#4.34 J1#4.35 J1#4.36 J1#4.37 U1#2.17 U1#2.18 U1#2.21 U1#2.22 U1#2.25 U1#2.27 U2#4.17 U2#4.18 U2#4.21 U2#4.22 U2#4.25 U2#4.27 U3.7
Board_7--10V: C13#4.1 C14#2.1 C23#5.1 C24#3.1 C28#7.1 J1#4.70 J1#4.71 J1#4.72 J1#4.73 U1#2.15 U1#2.26 U2#4.15 U2#4.26 U3.8 U3.33
Board_7-CLR: J1#4.10 U1#2.31 U2#4.31 U3.24
Board_7-FAULT1: J1#4.19 R3#2.2 U1#2.30
Board_7-FAULT2: J1#4.18 R1#4.2 U2#4.30
Board_7-GND: C1#7.2 C2#2.2 C3#5.2 C4#5.2 C5#8.2 C6#8.2 C7#7.2 C8#7.2 C9.2 C10#7.2 C11#4.2 C12#6.2 C13#4.2 C14#2.2 C15#5.2 C16#8.2 C17#2.2 C18#5.2 C19#2.2 C20.2 C21#4.2 C22#5.2 C23#5.2 C24#3.2 C25#3.2 C26#6.2 C27#6.2 C28#7.2 C29#8.2 C30#7.2 J1#4.1 J1#4.2 J1#4.8 J1#4.11 J1#4.13 J1#4.14 J1#4.15 J1#4.17 J1#4.22 J1#4.23 J1#4.32 J1#4.33 J1#4.38 J1#4.39 J1#4.40 J1#4.41 J1#4.44 J1#4.45 J1#4.48 J1#4.49 J1#4.52 J1#4.53 J1#4.56 J1#4.57 J1#4.60 J1#4.61 J1#4.64 J1#4.65 J1#4.68 J1#4.69 J1#4.74 J1#4.75 U1#2.1 U1#2.8 U1#2.9 U1#2.14 U1#2.32 U1#2.33 U2#4.1 U2#4.8 U2#4.9 U2#4.14 U2#4.32 U2#4.33 U3.2 U3.5 U3.10 U3.11 U3.20 U3.23 U3.27 U3.29
Board_7-I0: J1#4.43 U1#2.24
Board_7-I1: J1#4.42 U1#2.23
Board_7-I2: J1#4.47 U1#2.20
Board_7-I3: J1#4.46 U1#2.19
Board_7-I4: J1#4.51 U1#2.16
Board_7-I5: J1#4.50 U2#4.24
Board_7-I6: J1#4.55 U2#4.23
Board_7-I7: J1#4.54 U2#4.20
Board_7-I8: J1#4.59 U2#4.19
Board_7-I9: J1#4.58 U2#4.16
Board_7-LDAC: J1#4.16 U1#2.7 U2#4.7 U3.12
Board_7-MISO: J1#4.9 U1#2.4 U2#4.4 U3.15
Board_7-MOSI: J1#4.6 U1#2.3 U2#4.3 U3.16
Board_7-Net-(U1-REF): C3#5.1 U1#2.10
Board_7-Net-(U1-REFCOMP): C4#5.1 U1#2.11
Board_7-Net-(U2-REF): C5#8.1 U2#4.10
Board_7-Net-(U2-REFCOMP): C6#8.1 U2#4.11
Board_7-Net-(U3-REF): C1#7.1 U3.25
Board_7-Net-(U3-REFCOMP): C2#2.1 U3.26
Board_7-SCLK: J1#4.12 U1#2.5 U2#4.5 U3.14
Board_7-SS1: J1#4.7 U1#2.6
Board_7-SS2: J1#4.5 U2#4.6
Board_7-SS3: J1#4.3 U3.13
Board_7-TEMP: J1#4.20 R5#2.2 U3.30
Board_7-unconnected-(U1-MUX-Pad28): U1#2.28
Board_7-unconnected-(U2-MUX-Pad28): U2#4.28
Board_7-unconnected-(U3-DNC-Pad6): U3.6
Board_7-unconnected-(U3-DNC-Pad19): U3.19
Board_7-unconnected-(U3-MUXOUT-Pad9): U3.9
Board_7-Vb0: J1#4.67 U3.3
Board_7-Vb1: J1#4.63 U3.4
Board_7-Vb2: J1#4.66 U3.21
Board_7-Vb3: J1#4.62 U3.22

## Via types
v1: diameter 0.6, hole 0.4, Top to Bottom, 128 vias
v2: diameter 0.4, hole 0.3, Top to Bottom, 1016 vias
v3: diameter 0.45, hole 0.3, Top to Bottom, 48 vias
v4: diameter 0.25, hole 0.15, Top to Bottom, 752 vias

## Routing (per net, layer and track width the routed paths; a pad name or vN(x,y) marks a point on that pad's centre or on a via; arc(x,y) is an arc through that point)
Board_0-+5V: length 46.6
  Top w0.186: 13.71,95.11 J1#6.21
  Top w0.2: v2(14.09,78.06) 15.21,78.06 R1#2.1 ; R3#6.1 14.14,90.77 v2(14.15,90.78)
  Top w0.254: R5.1 18.01,62.04 v2(17.68,61.71) ; 17.8,59.17 C30#6.1 18.89,59.19 ; U2#8.12 15.1,67.78 ; v2(13.9,92.79) 13.69,93 13.69,95.09 13.71,95.11 ; U3#7.18 14.1,55.88 v2(13.3,55.88) ; v2(11.68,86.03) 12.03,85.68 U1#8.2 ; v2(17.68,61.71) 17.68,61.64 17.8,61.52 U3#7.32 U3#7.31 ; v2(17.68,61.71) 17.51,61.88 U3#7.1 17.1,61.88 ; U2#8.13 15.6,68.49 15.71,68.38 ; v1(14.09,76.14) 14.09,76.14 14.64,75.59 C26#2.1 14.88,75.21 15.1,74.99 U2#8.29 ; v1(14.15,88.5) 14.55,88.09 C16.1 15.1,87.87 U1#8.29 ; v2(11.68,73.53) 12.03,73.18 U2#8.2 ; U1#8.12 15.1,80.28 ; U3#7.17 13.6,56.58 13.48,56.45 v2(13.08,56.45) ; U1#8.13 15.6,80.99 15.71,80.88
  Top w0.325: v2(14.1,78.68) 14.55,78.68 15.03,79.15 15.03,80.21 C15#2.1 ; v2(13.85,66.05) 14.53,66.05 14.99,66.52 14.99,67.67 C25.1 ; v2(19.55,55.94) 20.55,55.94 21.08,56.47 21.08,59.45 20.65,59.88 19.52,59.88 18.89,59.25 18.89,59.19
  Bottom w0.254: J1#6.4 9.48,93.4 v2(9.23,93.16)
  Bottom w0.325: v2(17.68,61.71) 17.96,61.43 v2(17.96,56.12)
Board_0-+10V: length 36.2
  Top w0.2: U3#7.7 14.1,62.45
  Top w0.254: 15.73,88 16.1,87.63 U1#8.27 ; 18.14,87.91 18.14,87.8 17.21,86.88 U1#8.25 ; C7#4.1 18.3,82.18 U1#8.17 ; C7#4.1 C8#8.1 18.75,83.18 U1#8.18 ; C7#4.1 18.87,81.47 v1(18.85,81.45) ; 18.87,72.33 18.72,72.18 U2#8.21 ; C12#7.1 16.36,88 v1(16.37,87.99) ; C17#7.1 18.3,69.68 U2#8.17 ; C17#7.1 18.87,69.06 v1(18.88,69.05) ; C17#7.1 C18#8.1 18.75,70.68 U2#8.18 ; 18.87,73.2 18.35,72.68 U2#8.22 ; 18.14,87.92 C11#2.1 18.39,88 v1(18.69,88.3) ; 15.73,75.5 16.1,75.13 U2#8.27 ; v1(19.08,86.3) 19.03,86.3 18.95,86.23 C10#6.1 18.87,85.61 C9#3.1 ; 17.8,85.18 18.35,85.17 18.87,85.69 ; C22#2.1 16.36,75.5 v1(16.37,75.49) ; U2#8.25 17.14,74.38 18.14,75.37 18.14,75.42 C21#5.1 18.65,75.5 v1(18.95,75.8) ; C19#7.1 18.87,73.11 C20#5.1 18.95,73.58 19.06,73.69 v1(19.06,73.79) ; U1#8.21 18.72,84.68
  Top w0.325: J1#6.37 17.73,94.25 17.48,94 17.23,94.25 J1#6.35
  Top w0.508: 14.26,63.66 14.1,63.5 14.1,62.45 ; 14.26,63.66 15.23,64.62 v1(16.78,64.62) ; 14.26,63.66 C27#3.1 ; v2(17.48,93.5) 17.48,94
  In2.Cu w0.508: v2(17.48,93.5) 17.48,93
  Bottom w0.325: J1#6.36 v2(17.48,93.5) 17.48,93.88 16.98,94.38 J1#6.34
Board_0--10V: length 51.2
  Top w0.254: U2#8.15 16.58,69.45 16.58,68.38 ; v1(22.52,78.12) 22.51,78.12 ; 16.62,68.38 C24#6.1 ; C28#6.1 13.44,63.29 13.44,62.03 U3#7.8 13.6,61.17 v2(14.23,60.55) ; C13.1 16.6,87.33 U1#8.26 ; 17.25,75.5 C23#6.1 16.6,74.83 U2#8.26 ; 16.62,80.88 C14#8.1 16.58,81.95 U1#8.15 ; v1(22.52,67.23) 22.51,67.23
  Top w0.325: C13.1 16.53,88.74 16.53,90.15 v1(18.86,92.48) ; J1#6.71 26.23,94.25 26.48,94 26.73,94.25 J1#6.73 ; 16.62,68.38 17.78,67.23 22.51,67.23 ; 22.51,78.12 17.63,78.12 16.59,77.09 16.59,76.16 17.25,75.5 ; v1(22.52,79.78) 17.73,79.78 16.62,80.88
  Top w0.508: v2(26.48,93.54) 26.48,94 ; v1(21.73,65.55) 15.14,65.55 13.35,63.76 C28#6.1
  In2.Cu w0.508: v2(26.48,93.54) 26.48,93.11
  Bottom w0.325: J1#6.70 25.98,94.27 26.48,93.77 v2(26.48,93.54) J1#6.72
  vias: v2(14.23,59.8) v2(14.23,59.05) v2(14.23,58.3) v2(14.98,60.55) v2(14.98,59.8) v2(14.98,59.05) v2(14.98,58.3) v2(15.73,60.55) v2(15.73,59.8) v2(15.73,59.05) v2(15.73,58.3) v2(16.48,60.55) v2(16.48,59.8) v2(16.48,59.05) v2(16.48,58.3)
Board_0-CLR: length 53.8
  Top w0.186: v2(13.08,87.55) 13.93,87.55 14.1,87.38 U1#8.31 ; U3#7.24 17.1,56.08 17.3,55.88 v2(17.3,55.2) ; U2#8.31 14.1,74.78 13.83,75.05 13.23,75.05 v2(13.05,74.88)
  Bottom w0.127: 10.81,92.94 10.81,91.66
  Bottom w0.186: J1#6.10 10.98,93.1 10.81,92.94 ; v2(17.3,55.2) 17.3,56.33 16.65,56.98 13.56,56.98 12.78,57.76 12.78,60.78 11.65,61.9 11.65,69.2 12.96,70.5 12.96,72.17 12.36,72.77 12.36,74.18 v2(13.05,74.88) 10.49,77.44 10.49,83.22 12.26,84.99 12.26,86.73 v2(13.08,87.55) 12.3,87.55 11.78,88.08 11.78,90.7 10.81,91.66
Board_0-FAULT1: length 9.2
  Top w0.186: J1#6.19 13.13,95.03 13.13,90.26 R3#6.2 13.12,88.36 13.58,87.9 14.04,87.9 14.6,87.34 U1#8.30
Board_0-FAULT2: length 26.6
  Top w0.186: U2#8.30 14.6,74.83 13.46,75.97 13.46,76.9 14.08,77.53 v2(15.69,77.53)
  Top w0.2: v2(15.69,77.53) R1#2.2
  Bottom w0.186: J1#6.18 12.98,90.53 17.26,86.25 17.26,79.09 v2(15.69,77.53)
Board_0-GND: length 72.1
  Top w0.127: U1#8.9 13.59,81.97 ; U2#8.9 13.59,69.47
  Top w0.2: v4(22.62,93.7) 22.62,94.13 22.73,94.24 J1#6.57 ; J1#6.53 21.73,94.24 21.62,94.13 v4(21.62,93.7) ; v4(20.62,93.7) 20.62,94.13 20.73,94.24 J1#6.49 ; v4(23.62,93.7) 23.62,94.13 23.73,94.24 J1#6.61 ; v4(19.62,93.7) 19.62,94.13 19.73,94.24 J1#6.45 ; v4(24.63,93.7) 24.63,94.11 24.73,94.21 J1#6.65 ; v4(18.62,93.71) 18.62,94.14 18.73,94.25 18.73,95.13
  Top w0.254: C6#2.2 v2(14.33,66.85) ; C12#7.2 15.75,89.13 v2(15.48,89.4) ; v4(13.23,86.88) 13.6,86.88 U1#8.32 ; v4(12.9,74.12) 12.9,73.68 U2#8.1 ; 16.58,67.42 v2(16.58,66.98) ; C4#7.2 v2(14.33,79.35) ; C15#2.2 v2(15.7,79.48) ; v4(16.1,68.95) U2#8.14 ; C8#8.2 v2(20.28,83.05) ; 19.83,73.2 v2(20.41,73.2) ; U1#8.1 12.9,86.18 v4(12.9,86.62) ; v4(18.45,58.55) 18.33,58.67 U3#7.27 ; v4(12.9,69.78) 12.9,70.17 U2#8.8 ; v4(16.1,81.45) U1#8.14 ; C7#4.2 v2(20.28,82.18) ; v2(17.54,76.89) 17.27,76.61 C23#6.2 ; C2#4.2 v2(20.33,57.93) ; v2(16.58,79.47) C14#8.2 ; U2#8.32 13.6,74.38 v4(13.23,74.38) ; C3.2 v2(13.45,79.48) ; C27#3.2 15.22,63.4 ; U3#7.11 12.4,60.18 12.27,60.31 12.27,60.82 ; 12.27,60.82 12.27,61.44 12.6,61.77 v3(12.99,61.77) ; 12.27,60.82 12.41,60.68 U3#7.10 ; C1#8.2 v2(20.33,57) ; v4(17.01,62.75) 16.6,62.35 U3#7.2 ; C26#2.2 v2(14.88,77) ; 17.8,59.67 18.42,59.67 18.57,59.82 v4(18.75,59.82) ; v4(13.15,81.97) U1#8.9 ; C17#7.2 v2(20.28,69.68) ; U1#8.8 12.9,82.67 v4(12.9,82.28) ; U3#7.5 v4(15.1,62.77) ; C25.2 v2(15.7,66.98) ; C19#7.2 v2(20.28,72.33) ; C5#6.2 v2(13.45,66.98) ; C18#8.2 v2(20.28,70.55) ; 14.1,54.91 v2(14.1,54.43) ; 17.27,89.39 C13.2 ; v2(18.14,76.93) C21#5.2 ; U3#7.20 v4(15.1,56.46) ; v4(13.15,69.47) U2#8.9 ; C30#6.2 v2(20.33,59.17) ; U3#7.23 v4(16.6,56.07) ; C16.2 v2(14.88,89.5) ; C22#2.2 v2(15.75,76.9) ; C9#3.2 v2(20.28,84.83) ; 19.83,85.7 v2(20.41,85.7) ; v2(18.14,89.43) C11#2.2
  Top w0.325: v2(18.15,93.71) 18.23,93.79 J1#6.39 ; 27.22,95.12 27.22,94.09 v3(27.48,93.83) ; J1#6.69 25.73,93.79 v2(25.65,93.71) ; 16.73,95.13 16.73,93.92 16.48,93.67 v3(16.48,93.67)
  Top w0.35: J1#6.11 11.23,94.68 11.73,94.18 ; J1#6.17 12.73,94.68 12.23,94.18 ; J1#6.1 v3(8.73,94.08) ; J1#6.23 v3(14.23,94.08) ; 11.73,94.18 J1#6.13 ; 11.73,94.18 v2(11.98,93.93) 12.23,94.18 ; 12.23,94.18 J1#6.15
  Top w0.508: C28#6.2 12.39,63.06 v2(12.78,62.68) ; 15.22,63.4 v3(15.78,63.95)
  Bottom w0.186: v3(27.48,93.83) 27.47,93.83
  Bottom w0.2: J1#6.60 23.48,94.27 23.62,94.13 v4(23.62,93.7) ; J1#6.52 21.48,94.27 21.62,94.13 v4(21.62,93.7) ; v4(18.62,93.71) 18.62,94.14 18.48,94.28 18.48,95.13 ; v4(19.62,93.7) 19.62,94.13 19.48,94.27 J1#6.44 ; J1#6.56 22.48,94.27 22.62,94.13 v4(22.62,93.7) ; v4(20.62,93.7) 20.62,94.13 20.48,94.27 J1#6.48 ; v4(24.63,93.7) 24.63,94.13 24.48,94.28 J1#6.64
  Bottom w0.325: 27.47,93.83 26.97,94.33 26.97,95.12 ; J1#6.68 25.48,94.08 25.65,93.91 v2(25.65,93.71) ; v2(18.15,93.71) 18.15,93.91 17.98,94.08 J1#6.38 ; 16.48,95.13 v3(16.48,93.67)
  Bottom w0.35: J1#6.22 13.98,94.33 v3(14.23,94.08) ; J1#6.2 8.98,94.33 v3(8.73,94.08) ; v2(11.98,93.93) J1#6.14 ; J1#6.8 v2(10.48,93.68)
  vias: v2(9.27,74.96) v2(9.25,59.03) v2(9.9,88.2) v2(10.5,72.65) v2(10.58,85.18) v2(10.58,61.4) v2(11.78,87.25) v2(11.78,83.73) v2(11.78,71.28) v2(11.78,59.01) v2(12.82,75.88) v2(14.23,85.55) v2(14.23,84.8) v2(14.23,84.05) v2(14.23,83.3) v2(14.23,73.05) v2(14.23,72.3) v2(14.23,71.55) v2(14.23,70.8) v2(14.98,85.55) v2(14.98,84.8) v2(14.98,84.05) v2(14.98,83.3) v2(14.98,73.05) v2(14.98,72.3) v2(14.98,71.55) v2(14.98,70.8) v2(15.73,85.55) v2(15.73,84.8) v2(15.73,84.05) v2(15.73,83.3) v2(15.73,73.05) v2(15.73,72.3) v2(15.73,71.55) v2(15.73,70.8) v2(16.16,54.57) v2(16.48,85.55) v2(16.48,84.8) v2(16.48,84.05) v2(16.48,83.3) v2(16.48,73.05) v2(16.48,72.3) v2(16.48,71.55) v2(16.48,70.8) v2(17.28,89.4) v4(7.53,90.96) v4(7.53,88.96) v4(7.53,86.96) v4(7.53,84.96) v4(7.53,82.96) v4(7.53,80.96) v4(7.53,78.96) v4(7.53,76.96) v4(7.53,74.96) v4(7.53,72.96) v4(7.53,70.96) v4(7.53,68.96) v4(7.53,66.96) v4(7.53,64.96) v4(7.53,62.96) v4(7.53,60.96) v4(7.53,58.96) v4(7.53,56.96) v4(7.53,54.96) v4(8.05,53.3) v4(8.25,92.34) v4(9.46,51.89) v4(9.97,90.7) v4(10.87,50.47) v4(11.85,91.94) v4(13,49.75) v4(14.43,93.09) v4(15,49.75) v4(15.38,92.58) v4(16.28,93.09) v4(17,49.75) v4(18.08,63.7) v4(19,49.75) v4(19.27,64.84) v4(19.9,87.61) v4(21,49.75) v4(22.41,84.28) v4(22.41,75.48) v4(22.47,72.13) v4(22.51,68.71) v4(23,49.75) v4(25.13,50.47) v4(26.55,51.88) v4(27.65,92.27) v4(27.96,53.3) v4(28.47,90.98) v4(28.47,88.98) v4(28.47,86.98) v4(28.47,84.98) v4(28.47,82.98) v4(28.47,80.98) v4(28.47,78.98) v4(28.47,76.98) v4(28.47,74.98) v4(28.47,72.98) v4(28.47,70.98) v4(28.47,68.98) v4(28.47,66.98) v4(28.47,64.98) v4(28.47,62.98) v4(28.47,60.98) v4(28.47,58.98) v4(28.47,56.98) v4(28.47,54.98)
Board_0-I0: length 9.8
  Top w0.186: 19.49,89.21 19.49,93.05 19.15,93.39 19.15,95.05 J1#6.43 ; 18.46,87.16 17.8,86.5 U1#8.24
  Top w0.254: 19.49,89.21 19.49,88.19 18.46,87.16
Board_0-I1: length 11.3
  Top w0.186: v4(19.43,87.25) 19.07,86.89 18.85,86.89 18.41,86.45 18.41,85.93 18.16,85.68 U1#8.23
  Bottom w0.186: 18.69,90.84 18.23,91.3 18.23,92.71 19.06,93.54 19.06,95.05 J1#6.42
  Bottom w0.254: v4(19.43,87.25) 19.43,90.1 18.69,90.84
